# Altium PCB PCB.PcbDoc
Units mil, origin at the board's own origin, x right, y up, seen from the top; angles counter-clockwise.
Board outline 2300 x 3375.98 mil, 2 copper layers (Top Layer, Bottom Layer), stack 63.824 mil thick; 97 components, 104 nets, 371 pads, 80 vias.
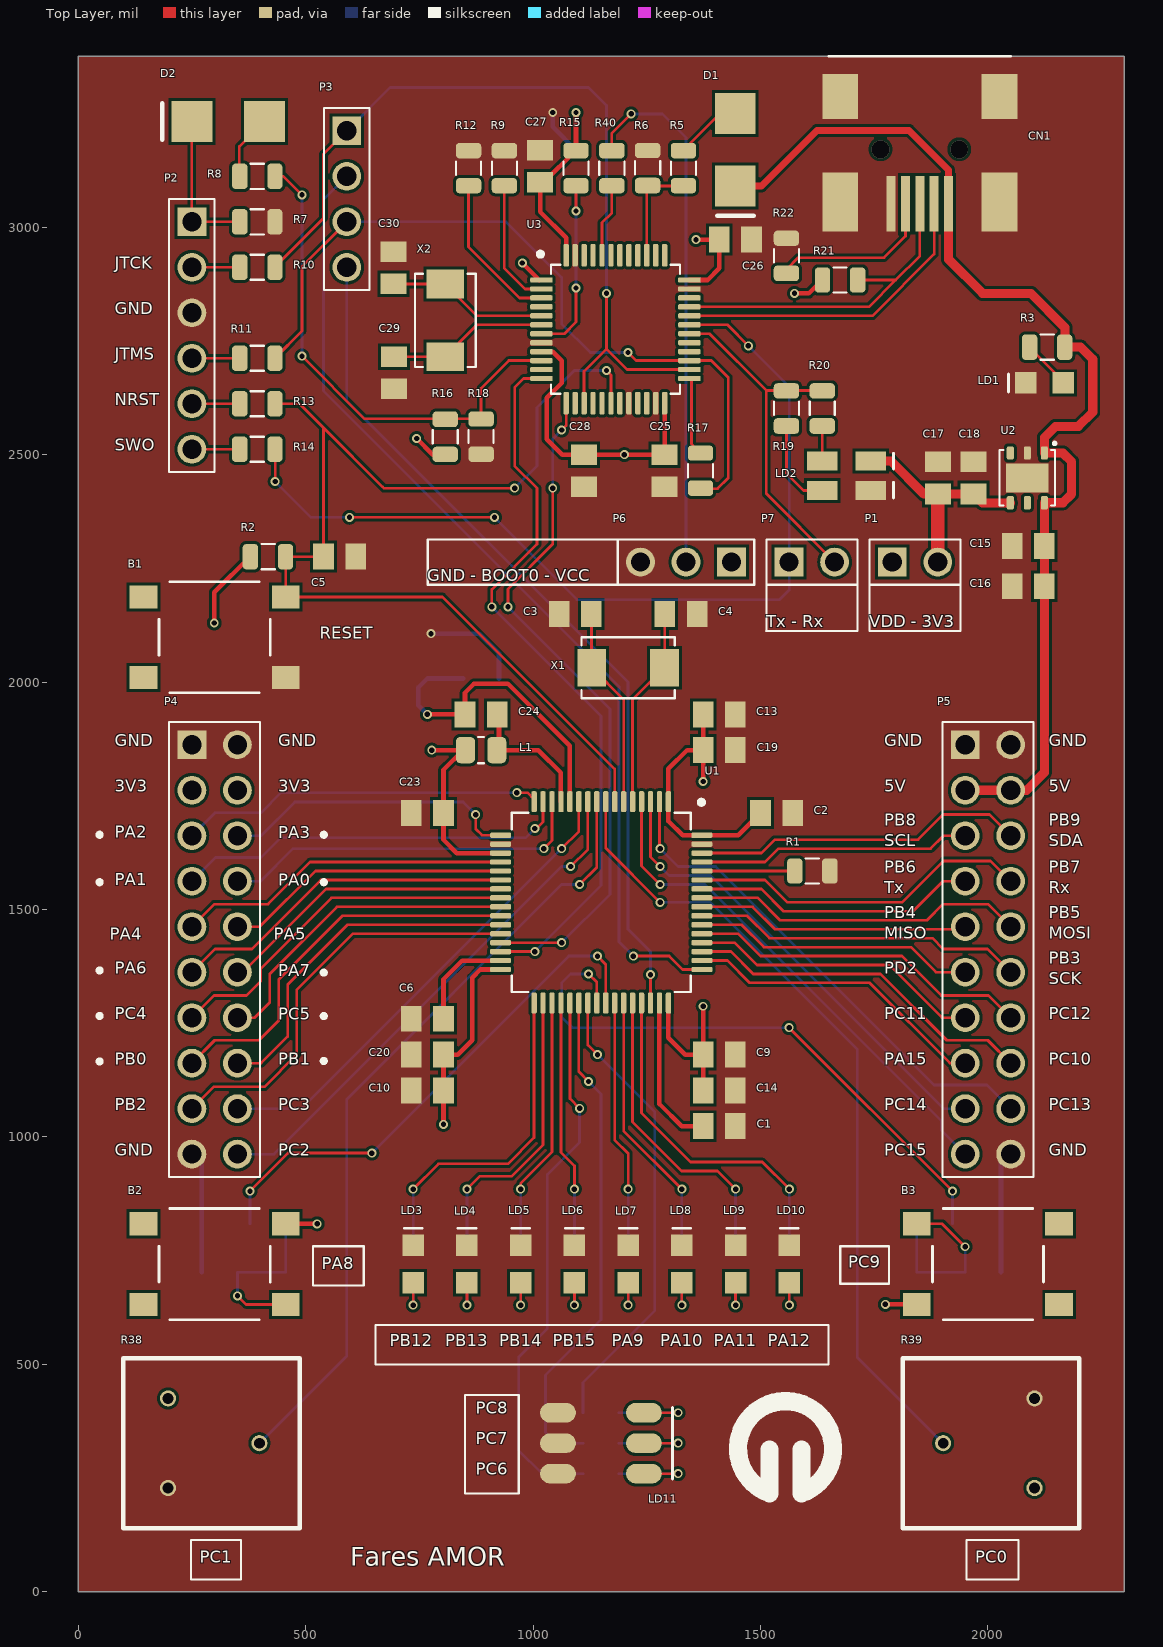
[diagram p0: Top Layer view]
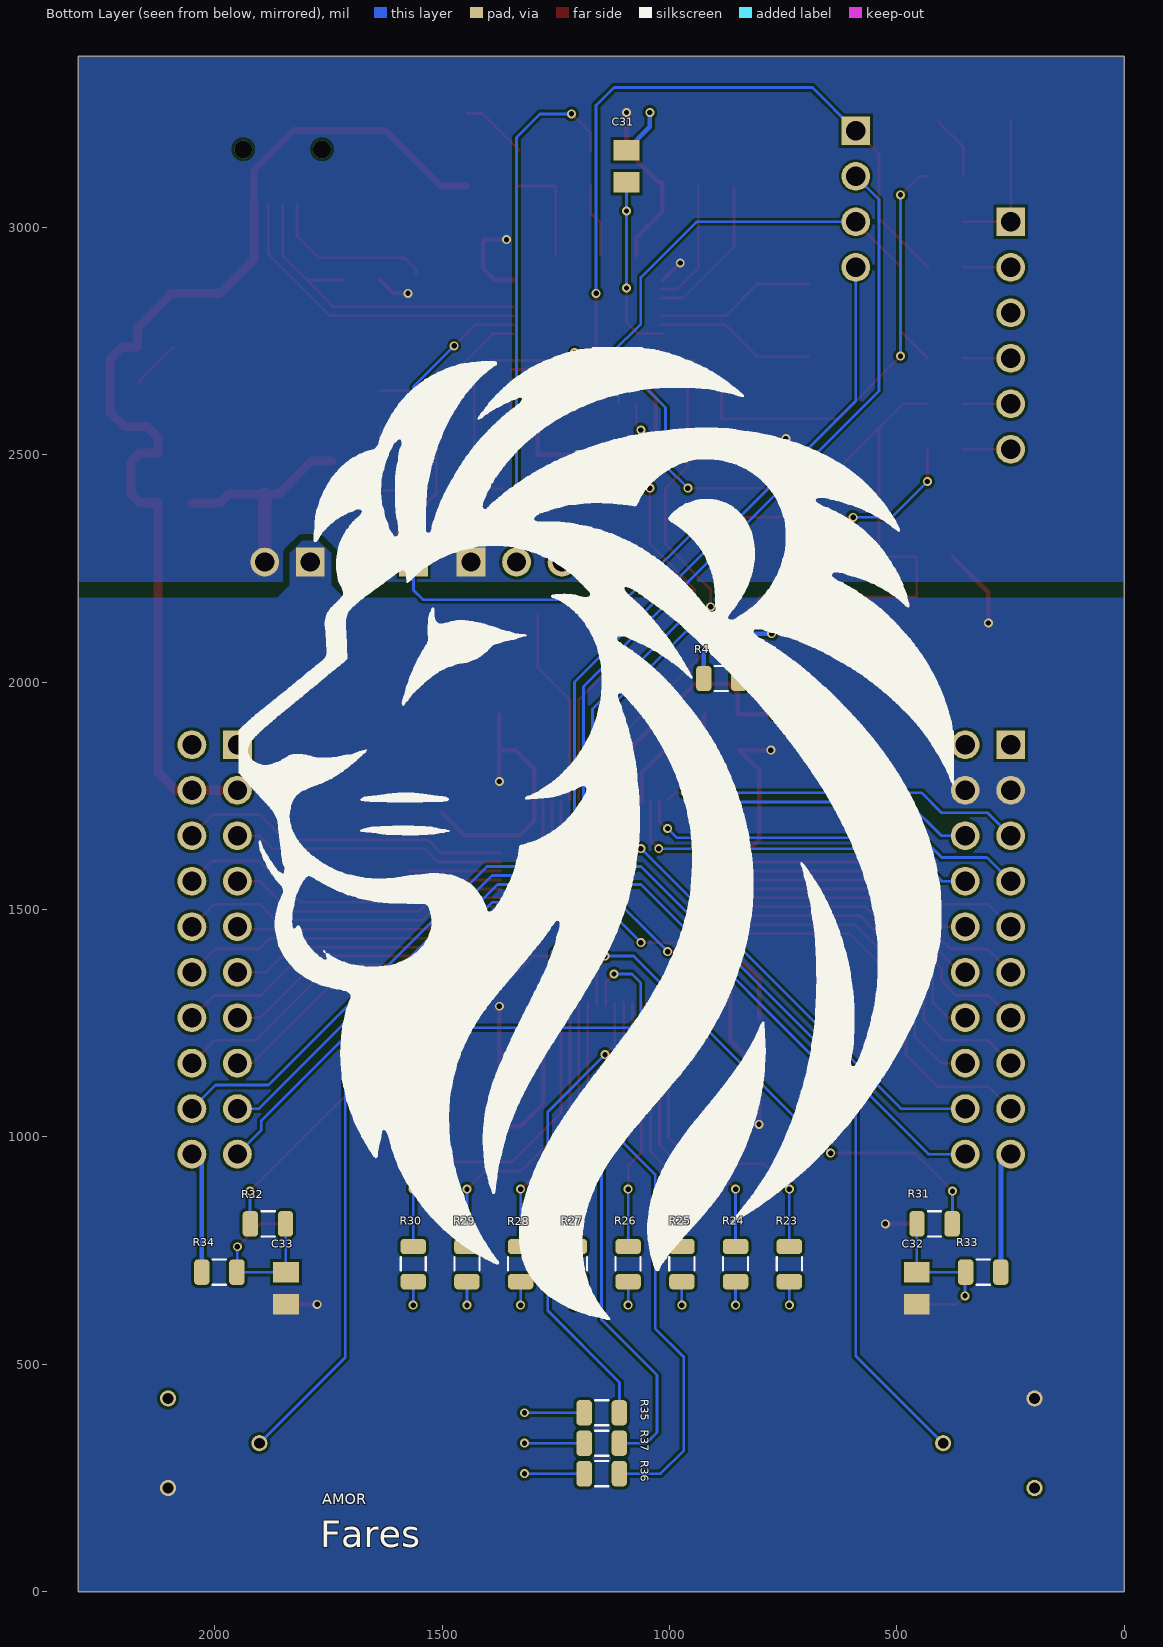
[diagram p1: Bottom Layer view, seen from below]
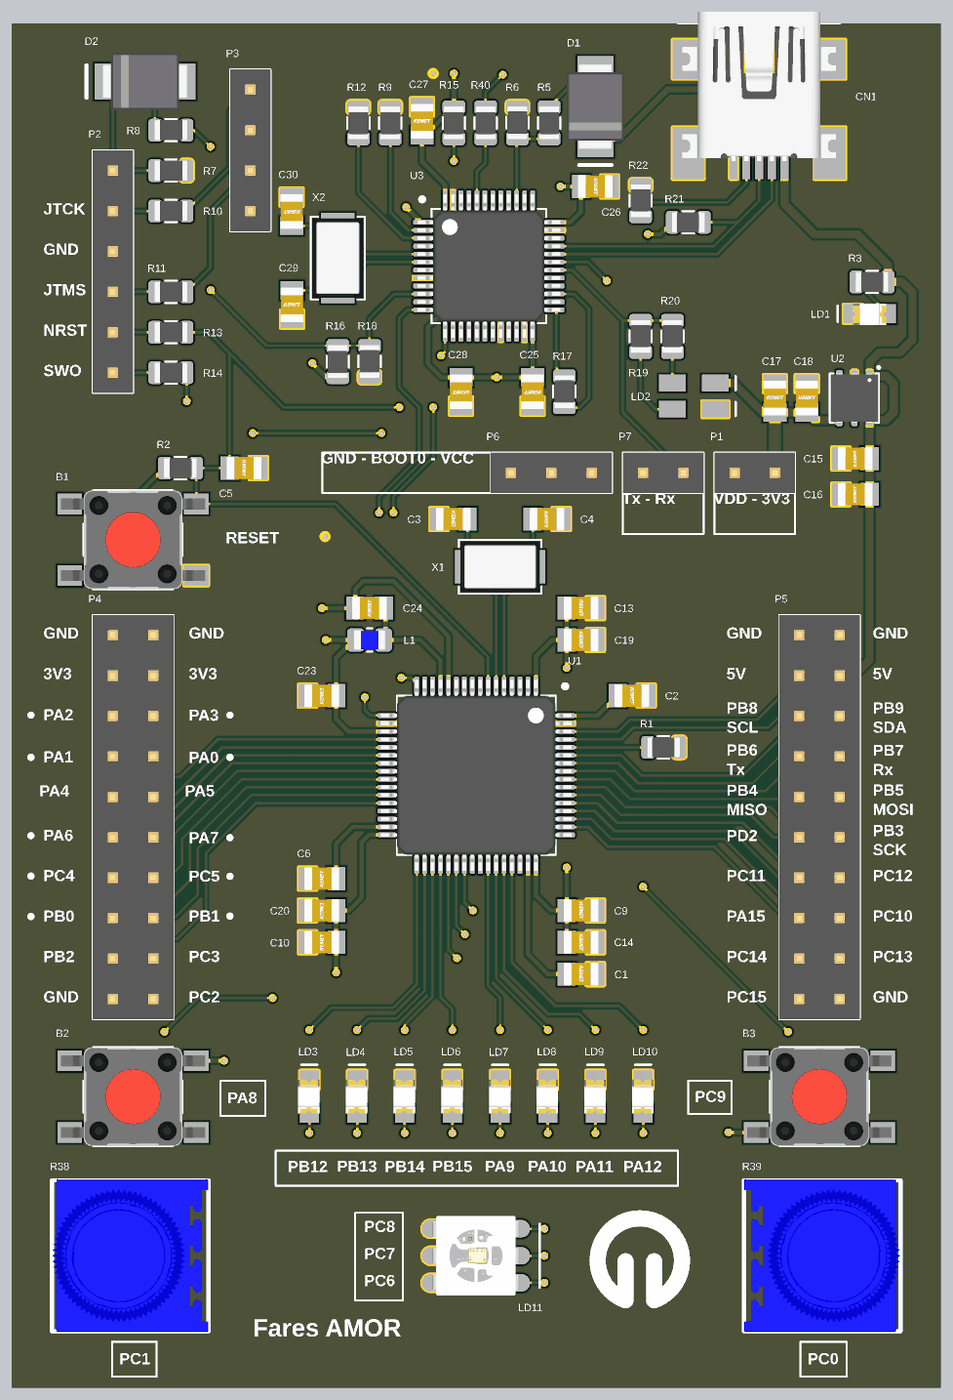
[diagram p2: 3D render of the assembled board from above, using the file's embedded part models]
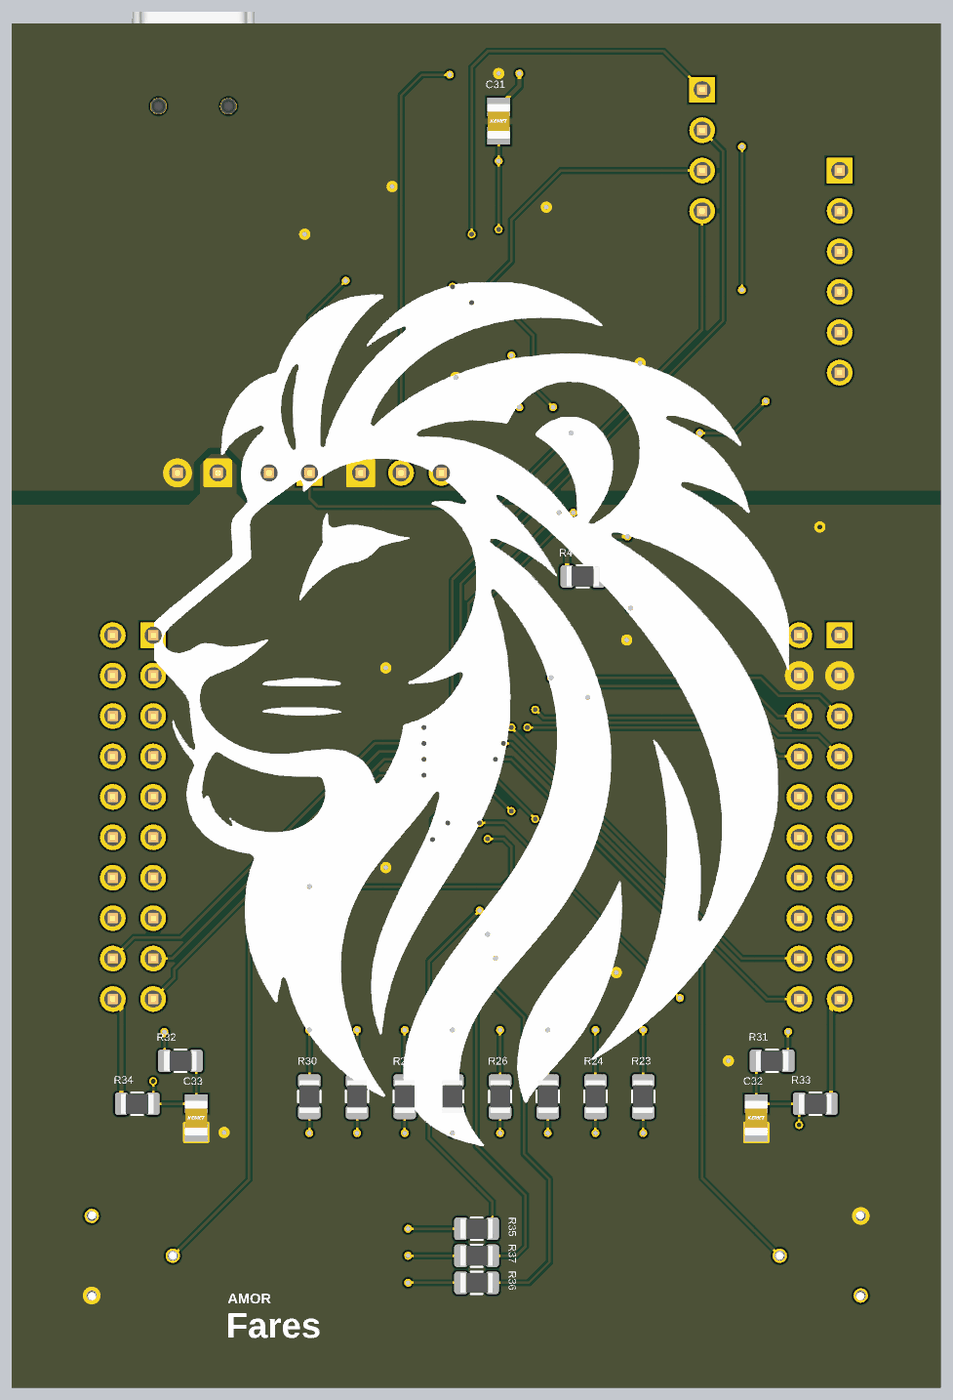
[diagram p3: 3D render of the assembled board from below, using the file's embedded part models]

## Layer stack, top to bottom
Top Solder: solder mask 0.4, Solder Resist, Dk 3.5
Top Layer: signal copper 1.4
Dielectric 1: dielectric 61.0236, FR-4, Dk 4.8
Bottom Layer: signal copper 1.4
Bottom Solder: solder mask 0.4, Solder Resist, Dk 3.5

## Board outline
0,0 2300,0 2300,3375.98 0,3375.98

## Design rules (kind name [scope] priority, off if disabled: settings)
Clearance [All] p1: gap=6 ignorepadtopadclearanceinfootprint=FALSE except(0: Arc-Hole Track-Hole SMDPad-Hole THPad-Hole Via-Hole Fill-Hole Poly-Hole Region-Hole Text-Hole; 5: SMDPad-SMDPad; 15: Poly-Poly)
MinimumSolderMaskSliver [All] p1: minsoldermaskwidth=6
PolygonConnect [All] p1: connectstyle=Direct reliefconductorwidth=10 reliefentries=4 polygonreliefangle="90 Angle" airgapwidth=10
RoutingVias [All] p1: holewidth=11.81 width=19.68 viastyle="Through Hole" minholewidth=11.81 minwidth=19.68 maxholewidth=28 maxwidth=50
SilkToSilkClearance [All] p1: silktosilkclearance=0
SolderMaskExpansion [All] p1: expansion=4 istentingtop=FALSE
Width [All] p1: maxlimit=60 minlimit=6 preferedwidth=10
28 further rules are at their usual default settings.

## Classes and differential pairs
component class UserComponents: B2 B3 C32 C33 LD3 LD4 LD5 LD6 LD7 LD8 LD9 LD10 LD11 P4 P5 R23 R24 R25 R26 R27 R28 R29 R30 R31 R32 R33 R34 R35 R36 R37 R38 R39
component class StLink: C25 C26 C27 C28 C29 C30 C31 CN1 D1 D2 LD2 P2 P3 P6 P7 R5 R6 R7 R8 R9 R10 R11 R12 R13 R14 R15 R16 R17 R18 R19 R20 R21 R22 R40 U3 X2
component class Power: C9 C10 C13 C14 C15 C16 C17 C18 C19 C20 C23 C24 LD1 P1 R3 R4 U2
component class MCU: B1 C1 C2 C3 C4 C5 C6 L1 R1 R2 U1 X1

## Components (designator, comment, footprint, x,y, rotation, side; value= is the part's Value field where it differs from the comment)
B1 "DTSM-65R-V-T/R" Diptronics_DTSM-65_Red_4 300,2098.43 r180 top locked
B2 "DTSM-65R-V-T/R" Diptronics_DTSM-65_Red_4 300,720.47 r180 top locked
B3 "DTSM-65R-V-T/R" Diptronics_DTSM-65_Red_4 2000,720.47 r0 top locked
C1 "C0805C104K3RACTU" Kemet_0805_X7R 1409.45,1023.62 r180 top value=2.2uF
C2 "C0805C105K4RACTU" Kemet_0805_X7R 1535.43,1712.6 r180 top value=1uF
C3 "C0805C104K3RACTU" Kemet_0805_X7R 1092.91,2149.61 r180 top value=10pF
C4 "C0805C104K3RACTU" Kemet_0805_X7R 1325.2,2149.61 r0 top value=10pF
C5 "C0805C104K3RACTU" Kemet_0805_X7R 574.8,2275.59 r180 top locked value=0.1uF
C6 "C0805C104K3RACTU" Kemet_0805_X7R 767.72,1259.84 r0 top value=2.2uF
C9 "C0805C104K3RACTU" Kemet_0805_X7R 1409.45,1181.1 r180 top value=0.1uF
C10 "C0805C104K3RACTU" Kemet_0805_X7R 767.72,1102.36 r0 top value=0.1uF
C13 "C0805C104K3RACTU" Kemet_0805_X7R 1409.45,1929.14 r180 top value=0.1uF
C14 "C0805C104K3RACTU" Kemet_0805_X7R 1409.45,1102.36 r180 top value=0.1uF
C15 "C0805C105K4RACTU" Kemet_0805_X7R 2088.58,2299.21 r0 top value=1uF
C16 "C0805C104K3RACTU" Kemet_0805_X7R 2088.58,2210.63 r0 top value=0.1uF
C17 "C0805C105K4RACTU" Kemet_0805_X7R 1889.76,2448.82 r270 top locked value=1uF
C18 "C0805C104K3RACTU" Kemet_0805_X7R 1968.5,2448.82 r270 top locked value=0.1uF
C19 "C0805C104K3RACTU" Kemet_0805_X7R 1409.45,1850.39 r180 top value=0.1uF
C20 "C0805C104K3RACTU" Kemet_0805_X7R 767.72,1181.1 r0 top value=0.1uF
C23 "C0805C104K3RACTU" Kemet_0805_X7R 767.72,1712.6 r0 top value=4.7uF
C24 "C0805C104K3RACTU" Kemet_0805_X7R 885.83,1929.13 r0 top value=0.1uF
C25 "C0805C104K3RACTU" Kemet_0805_X7R 1289.37,2464.57 r90 top locked value=0.1uF
C26 "C0805C104K3RACTU" Kemet_0805_X7R 1444.88,2972.44 r180 top value=0.1uF
C27 "C0805C104K3RACTU" Kemet_0805_X7R 1015.75,3133.86 r270 top locked value=0.1uF
C28 "C0805C104K3RACTU" Kemet_0805_X7R 1112.2,2464.57 r90 top locked value=0.1uF
C29 "C0805C104K3RACTU" Kemet_0805_X7R 693.9,2679.84 r270 top locked value=10pF
C30 "C0805C104K3RACTU" Kemet_0805_X7R 692.91,2910.71 r90 top locked value=10pF
C31 "C0805C104K3RACTU" Kemet_0805_X7R 1094.49,3133.86 r270 bottom value=0.1uF
C32 "C0805C104K3RACTU" Kemet_0805_X7R 456.5,667.32 r270 bottom locked value=0.1uF
C33 "C0805C104K3RACTU" Kemet_0805_X7R 1843.5,667.32 r270 bottom locked value=0.1uF
CN1 "DS1104-B60SRS" Connfly_DS1104-B60SRS 1850.39,3171.18 r180 top
D1 "SK12_R1_00001" Panjit_DO214AA_2 1444.88,3170.28 r90 top locked
D2 "SK12_R1_00001" Panjit_DO214AA_2 329.72,3232.28 r0 top locked
L1 "CIM21U601NE" SAMSUNG_INDC200X125X110L45N 885.83,1850.39 r0 top
LD1 "17-21/R6C-AP1Q2L/3T" Everlight_17-21 2124.02,2657.48 r0 top locked
LD2 "11-22SURSYGC/S530-A2/TR8" Everlight_11-22SURSYGC 1688.98,2453.74 r180 top locked
LD3 "17-21/R6C-AP1Q2L/3T" Everlight_17-21 736.61,720.47 r270 top
LD4 "17-21/R6C-AP1Q2L/3T" Everlight_17-21 854.72,720.47 r270 top
LD5 "17-21/R6C-AP1Q2L/3T" Everlight_17-21 972.83,720.47 r270 top
LD6 "17-21/R6C-AP1Q2L/3T" Everlight_17-21 1090.94,720.47 r270 top
LD7 "17-21/R6C-AP1Q2L/3T" Everlight_17-21 1209.06,720.47 r270 top
LD8 "17-21/R6C-AP1Q2L/3T" Everlight_17-21 1327.17,720.47 r270 top
LD9 "17-21/R6C-AP1Q2L/3T" Everlight_17-21 1445.28,720.47 r270 top
LD10 "17-21/R6C-AP1Q2L/3T" Everlight_17-21 1563.39,720.47 r270 top
LD11 "HLAF5060H248BS36FU76GCS1" Honglitronic_5050 1149.21,326.77 r0 top
P1 "H_2x1" HEADER_HDRV2W65P254_2X1_508X254H945 1789.76,2263.78 r0 top
P2 "H_6x1" HEADER_HDRV6W65P254_6X1_1524X254H945 250,3011.81 r270 top
P3 "H_4x1" HEADER_HDRV4W65P254_4X1_1016X254H945 590.55,3211.81 r270 top
P4 "H_10x2" HEADER_HDRV20W65P254_10X2_2540X508H945 250,1862.2 r270 top
P5 "H_10x2" HEADER_HDRV20W65P254_10X2_2540X508H945 1950,1862.2 r270 top
P6 "H_3x1" HEADER_HDRV3W65P254_3X1_762X254H945 1436.22,2263.78 r180 top
P7 "H_2x1" HEADER_HDRV2W65P254_2X1_508X254H945 1562.99,2263.78 r0 top
R1 "CRCW08050000Z0EA" VISHAY_RESC205X125X50L35_30N 1614.17,1584.65 r180 top locked value=10K
R2 "CRCW08050000Z0EA" VISHAY_RESC205X125X50L35_30N 417.13,2275.59 r0 top locked value=100K
R3 "CRCW08050000Z0EA" VISHAY_RESC205X125X50L35_30N 2129.92,2736.22 r0 top locked value=4K7
R4 "CRCW08050000Z0EA" VISHAY_RESC205X125X50L35_30N 885.83,2007.87 r0 bottom value=0R
R5 "CRCW08050000Z0EA" VISHAY_RESC205X125X50L35_30N 1330.71,3129.92 r270 top locked value=2K7
R6 "CRCW08050000Z0EA" VISHAY_RESC205X125X50L35_30N 1251.97,3129.92 r90 top locked value=4K7
R7 "CRCW08050000Z0EA" VISHAY_RESC205X125X50L35_30N 393.7,3011.81 r0 top locked value=10K
R8 "CRCW08050000Z0EA" VISHAY_RESC205X125X50L35_30N 393.7,3111.81 r0 top locked value=100R
R9 "CRCW08050000Z0EA" VISHAY_RESC205X125X50L35_30N 937.01,3129.92 r270 top locked value=10K
R10 "CRCW08050000Z0EA" VISHAY_RESC205X125X50L35_30N 393.7,2911.81 r0 top locked value=22R
R11 "CRCW08050000Z0EA" VISHAY_RESC205X125X50L35_30N 393.7,2711.81 r0 top locked value=22R
R12 "CRCW08050000Z0EA" VISHAY_RESC205X125X50L35_30N 858.27,3129.92 r270 top locked value=10K
R13 "CRCW08050000Z0EA" VISHAY_RESC205X125X50L35_30N 393.7,2611.81 r0 top locked value=22R
R14 "CRCW08050000Z0EA" VISHAY_RESC205X125X50L35_30N 393.7,2511.81 r0 top locked value=22R
R15 "CRCW08050000Z0EA" VISHAY_RESC205X125X50L35_30N 1094.49,3129.92 r270 top locked value=100K
R16 "CRCW08050000Z0EA" VISHAY_RESC205X125X50L35_30N 807.09,2539.37 r270 top locked value=4K7
R17 "CRCW08050000Z0EA" VISHAY_RESC205X125X50L35_30N 1368.11,2464.57 r90 top locked value=100R
R18 "CRCW08050000Z0EA" VISHAY_RESC205X125X50L35_30N 885.83,2539.37 r90 top locked value=4K7
R19 "CRCW08050000Z0EA" VISHAY_RESC205X125X50L35_30N 1557.09,2601.38 r90 top locked value=100
R20 "CRCW08050000Z0EA" VISHAY_RESC205X125X50L35_30N 1635.83,2601.38 r90 top locked value=100
R21 "CRCW08050000Z0EA" VISHAY_RESC205X125X50L35_30N 1675.2,2883.86 r180 top value=1K5
R22 "CRCW08050000Z0EA" VISHAY_RESC205X125X50L35_30N 1557.09,2937.01 r90 top value=100K
R23 "CRCW08050000Z0EA" VISHAY_RESC205X125X50L35_30N 736.61,720.47 r90 bottom value=330R
R24 "CRCW08050000Z0EA" VISHAY_RESC205X125X50L35_30N 854.72,720.47 r90 bottom value=330R
R25 "CRCW08050000Z0EA" VISHAY_RESC205X125X50L35_30N 972.83,720.47 r90 bottom value=330R
R26 "CRCW08050000Z0EA" VISHAY_RESC205X125X50L35_30N 1090.94,720.47 r90 bottom value=330R
R27 "CRCW08050000Z0EA" VISHAY_RESC205X125X50L35_30N 1209.06,720.47 r90 bottom value=330R
R28 "CRCW08050000Z0EA" VISHAY_RESC205X125X50L35_30N 1327.17,720.47 r90 bottom value=330R
R29 "CRCW08050000Z0EA" VISHAY_RESC205X125X50L35_30N 1445.28,720.47 r90 bottom value=330R
R30 "CRCW08050000Z0EA" VISHAY_RESC205X125X50L35_30N 1563.39,720.47 r90 bottom value=330R
R31 "CRCW08050000Z0EA" VISHAY_RESC205X125X50L35_30N 417.13,809.06 r0 bottom value=330R
R32 "CRCW08050000Z0EA" VISHAY_RESC205X125X50L35_30N 1882.87,809.06 r180 bottom value=330R
R33 "CRCW08050000Z0EA" VISHAY_RESC205X125X50L35_30N 310.63,702.76 r180 bottom locked value=220K
R34 "CRCW08050000Z0EA" VISHAY_RESC205X125X50L35_30N 1989.37,702.76 r0 bottom locked value=220K
R35 "CRCW08050000Z0EA" VISHAY_RESC205X125X50L35_30N 1149.21,393.7 r180 bottom value=330R
R36 "CRCW08050000Z0EA" VISHAY_RESC205X125X50L35_30N 1149.21,259.84 r180 bottom value=330R
R37 "CRCW08050000Z0EA" VISHAY_RESC205X125X50L35_30N 1149.21,326.77 r180 bottom value=330R
R38 "3386F-1-103LF-BN" BONENS_3386F 300,326.77 r270 top locked value=10K
R39 "3386F-1-103LF-BN" BONENS_3386F 2000,326.77 r90 top locked value=10K
R40 "CRCW08050000Z0EA" VISHAY_RESC205X125X50L35_30N 1173.23,3129.92 r270 top value=100K
U1 "STM32F415RGT6" STM_QFP64P50_1200X1200X160L60X22N 1150,1515.75 r180 top locked
U2 "LD39050PU33R" TI_SON7P95_300X300X100L40X34T236X162N 2086.61,2448.82 r180 top locked
U3 "STM32F103C8T6" STM_QFP48P50_900X900X160L60X22N 1181.1,2775.59 r270 top locked
X1 "ABM3-8.000MHZ-D2Y-T" ABRACON_XTALDFN2_500X320X130L130X200N 1209.06,2031.5 r0 top
X2 "ABM3-8.000MHZ-D2Y-T" ABRACON_XTALDFN2_500X320X130L130X200N 807.09,2795.28 r90 top locked

## Footprints (in the part's own frame and the unit in brackets; to place one, negate y for a bottom-side part, rotate by r counter-clockwise, add the part's x,y. Pads: shape width x height; smd on the part's side, far side on the other; paste and mask are expansions set on the pad)
ABRACON_XTALDFN2_500X320X130L130X200N [mm] "Crystal, Dual Flat No-Lead (DFN 2 Pin); 2 pin, 5.00 mm L X 3.20 mm W X 1.30 mm H body"
  rect 1.61x2.11 smd: 1(-2.032,0) 2(2.032,0)
  silkscreen extent -2.6,-1.7 2.6,1.7, body extent -2.5,-1.6 2.5,1.6, height 1.3
BONENS_3386F [mm]
  round 0.9 hole 0.6: 1(-2.5,-2.6) 2(0,2.5) 3(2.5,-2.6)
  silkscreen extent -4.75,-5.1 4.75,4.75, body extent -4.79,-5.09 4.79,4.74, height 10.46
Connfly_DS1104-B60SRS [mm]
  rect 0.5x3.1 smd: 1(-1.6,3.048) 2(-0.8,3.048) 3(0,3.048) 4(0.8,3.048) 5(1.6,3.048)
  rect 2x3.3 smd: 6(-4.45,2.95) 6(4.45,2.95)
  rect 2x2.5 smd: 6(-4.45,-2.95) 6(4.45,-2.95)
  silkscreen extent -5.08,-5.2 5.08,-5.2, body extent -4.83,-5.94 4.83,3.46, height 4
Diptronics_DTSM-65_Red_4 [mm]
  rect 1.55x1.3 smd: 1(-3.975,2.25) 2(3.975,2.25) 3(-3.975,-2.25) 4(3.975,-2.25)
  silkscreen extent -3.1,-3.1 3.1,3.1, body extent -4.54,-3.1 4.54,3.1, height 9.65
Everlight_11-22SURSYGC [mm]
  rect 1.7x1.05 smd: 1(1.35,0.825) 2(-1.35,0.825) 3(1.35,-0.825) 4(-1.35,-0.825)
  silkscreen extent -2.63,-1.25 -2.63,1.25
Everlight_17-21 [mm]
  rect 1.2x1.2 smd: 1(1.05,0) 2(-1.05,0)
  silkscreen extent -2,-0.5 -2,0.5, body extent -1.05,-0.7 1.05,0.65, height 1.1
HEADER_HDRV2W65P254_2X1_508X254H945 [mm] "Header, Vertical, 2.54 mm pitch; 0.65 mm lead width, 2 pins, 1 row, 2 pins per row, 5.08 mm L X 2.54 mm W X 9.45 mm H body"
  rect 1.61x1.61 / inner round 1.61 / far side rect 1.61x1.61 hole 1.07 paste-1.61: 1(0,0)
  round 1.61 hole 1.07 paste-1.61: 2(2.54,0)
  silkscreen extent -1.27,-1.27 3.81,1.27, body extent -1.27,-1.27 3.81,1.27, height 9.45
HEADER_HDRV3W65P254_3X1_762X254H945 [mm] "Header, Vertical, 2.54 mm pitch; 0.65 mm lead width, 3 pins, 1 row, 3 pins per row, 7.62 mm L X 2.54 mm W X 9.45 mm H body"
  rect 1.61x1.61 / inner round 1.61 / far side rect 1.61x1.61 hole 1.07 paste-1.61: 1(0,0)
  round 1.61 hole 1.07 paste-1.61: 2(2.54,0) 3(5.08,0)
  silkscreen extent -1.27,-1.27 6.35,1.27, body extent -1.27,-1.27 6.35,1.27, height 9.45
HEADER_HDRV4W65P254_4X1_1016X254H945 [mm] "Header, Vertical, 2.54 mm pitch; 0.65 mm lead width, 4 pins, 1 row, 4 pins per row, 10.16 mm L X 2.54 mm W X 9.45 mm H body"
  rect 1.61x1.61 / inner round 1.61 / far side rect 1.61x1.61 hole 1.07 paste-1.61: 1(0,0)
  round 1.61 hole 1.07 paste-1.61: 2(2.54,0) 3(5.08,0) 4(7.62,0)
  silkscreen extent -1.27,-1.27 8.89,1.27, body extent -1.27,-1.27 8.89,1.27, height 9.45
HEADER_HDRV6W65P254_6X1_1524X254H945 [mm] "Header, Vertical, 2.54 mm pitch; 0.65 mm lead width, 6 pins, 1 row, 6 pins per row, 15.24 mm L X 2.54 mm W X 9.45 mm H body"
  rect 1.61x1.61 / inner round 1.61 / far side rect 1.61x1.61 hole 1.07 paste-1.61: 1(0,0)
  round 1.61 hole 1.07 paste-1.61: 2(2.54,0) 3(5.08,0) 4(7.62,0) 5(10.16,0) 6(12.7,0)
  silkscreen extent -1.27,-1.27 13.97,1.27, body extent -1.27,-1.27 13.97,1.27, height 9.45
HEADER_HDRV20W65P254_10X2_2540X508H945 [mm] "Header, Vertical, 2.54 mm pitch; 0.65 mm lead width, 20 pins, 2 rows, 10 pins per row, 25.40 mm L X 5.08 mm W X 9.45 mm H body"
  rect 1.61x1.61 / inner round 1.61 / far side rect 1.61x1.61 hole 1.07 paste-1.61: 1(0,0)
  round 1.61 hole 1.07 paste-1.61: 2(2.54,0) 3(5.08,0) 4(7.62,0) 5(10.16,0) 6(12.7,0) 7(15.24,0) 8(17.78,0) 9(20.32,0) 10(22.86,0) 11(22.86,2.54) 12(20.32,2.54) 13(17.78,2.54) 14(15.24,2.54) 15(12.7,2.54) 16(10.16,2.54) 17(7.62,2.54) 18(5.08,2.54) 19(2.54,2.54) 20(0,2.54)
  silkscreen extent -1.27,-1.27 24.13,3.81, body extent -1.27,-1.27 24.13,3.81, height 9.45
Honglitronic_5050 [mm]
  oval 2x1.1 smd: 1(2.4,-1.7) 2(2.4,0) 3(2.4,1.7) 4(-2.4,1.7) 5(-2.4,0) 6(-2.4,-1.7)
  silkscreen extent 4,-2 4,2, body extent -2.75,-2.5 2.75,2.5, height 1.55
Kemet_0805_X7R [mm]
  rect 1.15x1.45 smd mask+0.102: 1(-0.9,0) 2(0.9,0)
  body extent -1.1,-0.73 1.1,0.73, height 1
Panjit_DO214AA_2 [mm]
  rect 2.29x2.27 smd: 1(-2.025,0) 2(2.025,0)
  silkscreen extent -3.68,-1.02 -3.68,1.02, body extent -2.7,-1.8 2.7,1.8, height 2.3
SAMSUNG_INDC200X125X110L45N [mm] "Inductor, Chip; 2.00 mm L X 1.25 mm W X 1.10 mm H body"
  rrect47% 1.06x1.47 smd: 1(-0.875,0) 2(0.875,0)
  silkscreen extent -0.17,-0.73 0.17,0.73, body extent -1,-0.63 1,0.63, height 1.1
STM_QFP48P50_900X900X160L60X22N [mm] "Quad Flat Pack (QFP), 0.50 mm pitch; square, 12 pin X 12 pin, 7.00 mm L X 7.00 mm W X 1.60 mm H body"